# Altium PCB SoDeRa-PCIe_1v0.PcbDoc (part 7 of 8) (continued)
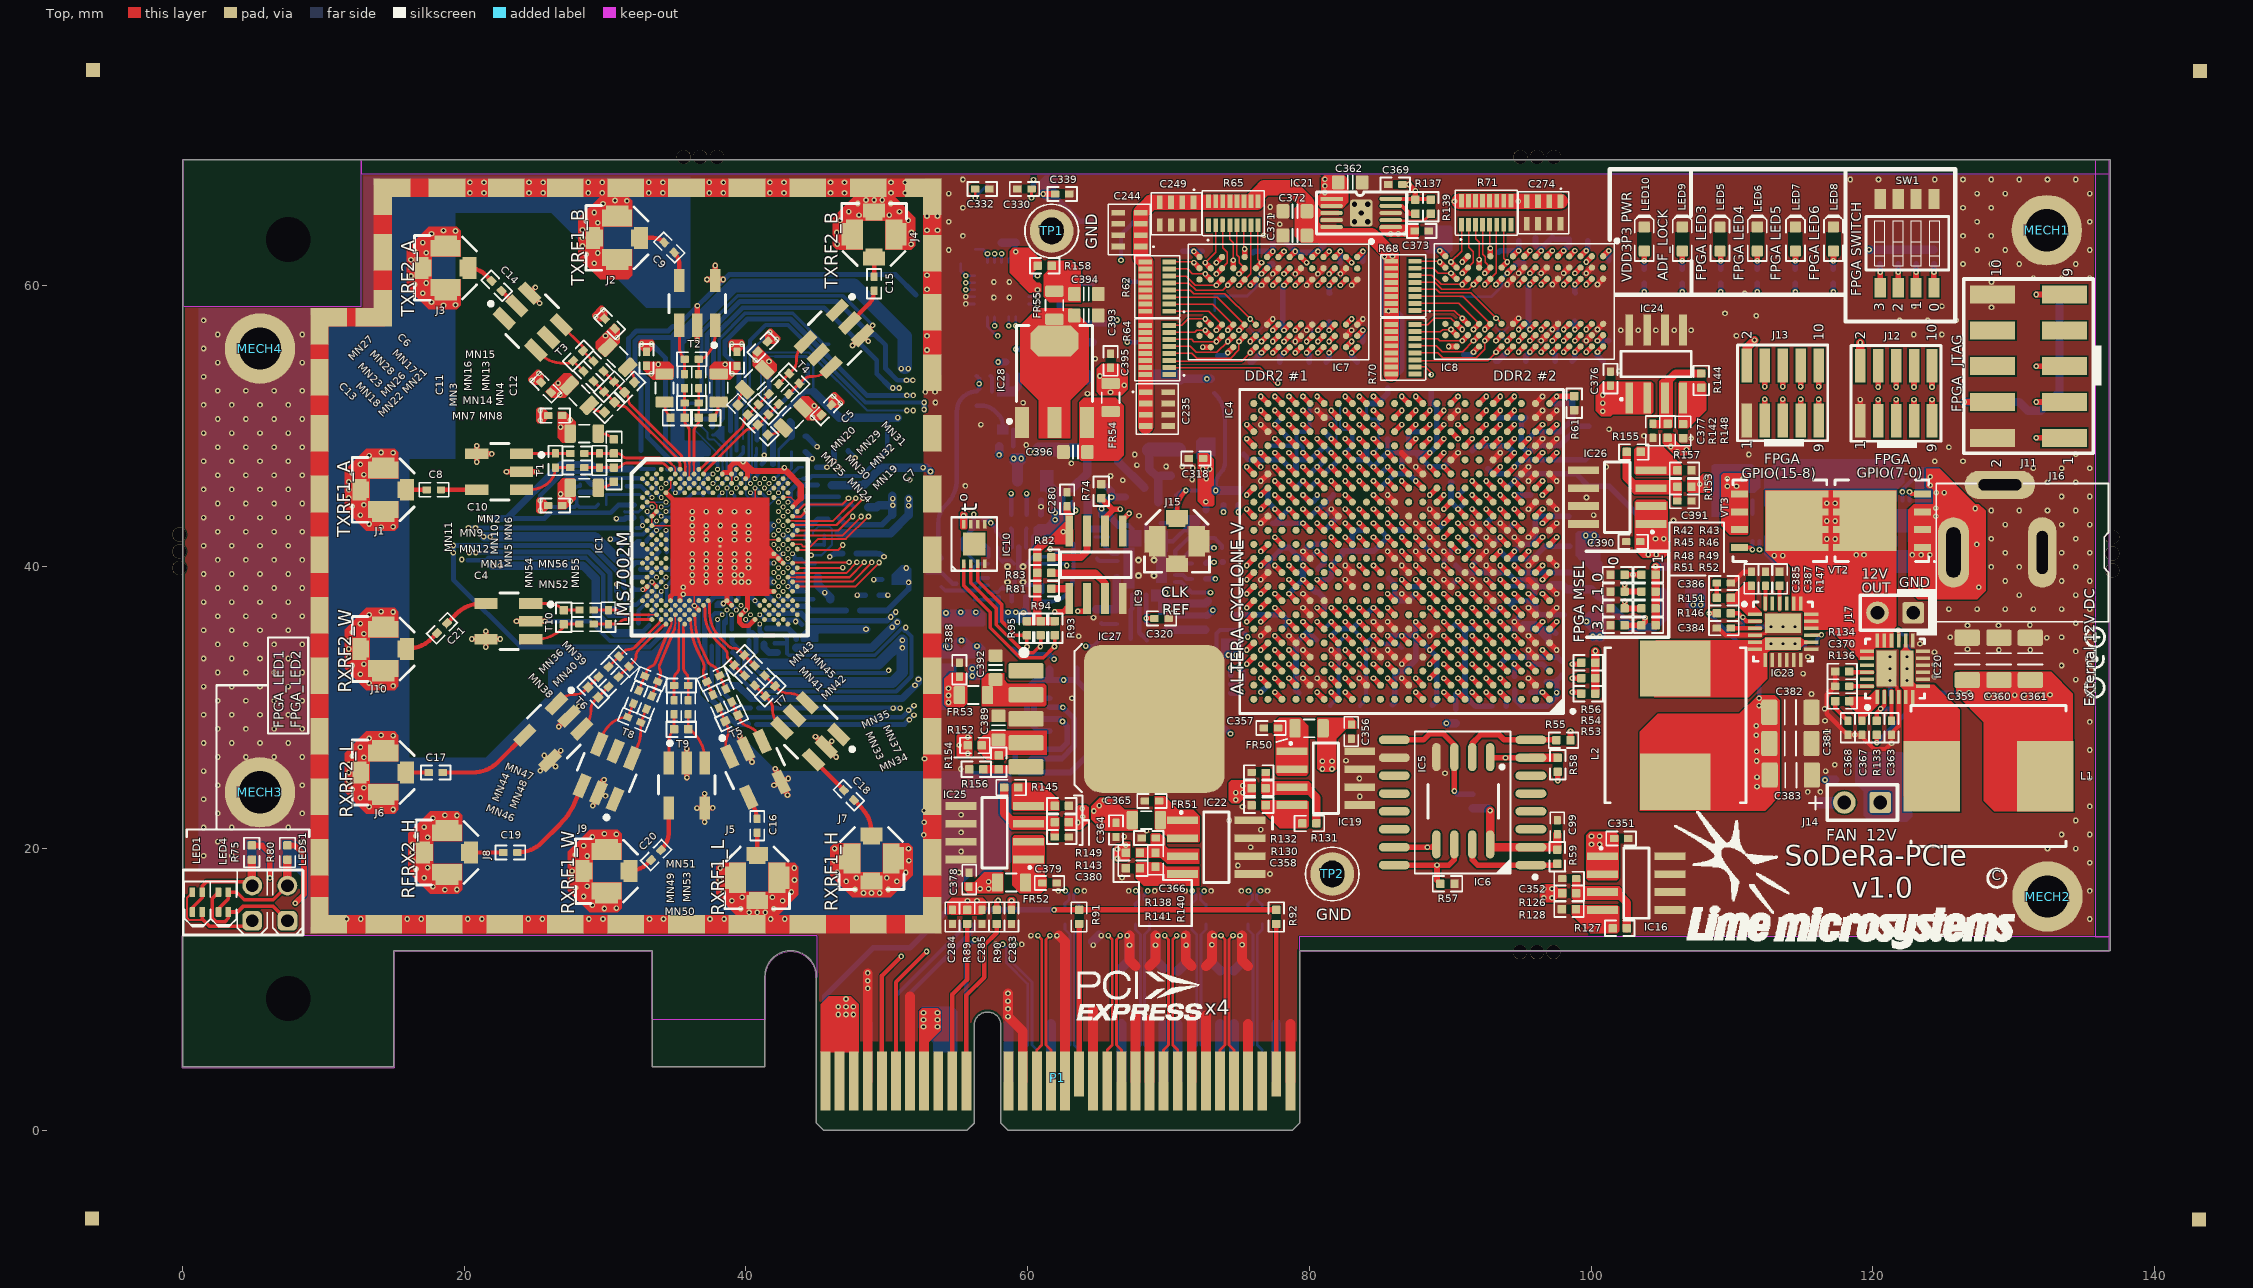
[diagram p0: Top view]
## Nets (pads, with @x,y where several pads share a name; then routed paths per layer and width w, separated by ;. In a path a pad name is that pad's centre, name@x,y a point inside that pad or via, vN(x,y) a via of type N, cw(c..) or ccw(c..) an arc to the next point about the centre after c; other vN are vias at no path point) (continued)
  other v1: 72.425,46.95 72.925,46.95
VCC3P3_PCIE: C283.1 C284.1 C285.1 P1.A9 P1.A10 P1.B8 R89.1 | length 6.9
  Top w0.7: P1.B8@52.65,3.5 v1@52.65,8.3 ; C284.1@54.65,15.65 C285.1@56.7,15.65
  other v1: 52.6,7.35 53.6,7.35 52.6,7.85 53.6,7.85 52.6,8.35 53.6,8.35 55.725,16.3 56.4,16.3 58.85,16.3
VCC12P0: C282.1 C344.2 C345.2 C346.2 C347.2 C348.2 C349.1 C353.1 C355.2 C375.2 C395.2 FR54.1 IC17.1 IC17.6 IC18.1 IC18.6 IC20.16 IC20.17 IC20.18 IC20.19 IC20.20 IC23.16 IC23.17 IC23.18 IC23.19 IC23.20 J14.2 J17.2 R123.1 R124.1 VT2.5 VT2.6 VT2.7 VT2.8 VT3.5 VT3.6 VT3.7 VT3.8 | length 10.5
  Bottom w0.6: v1(117.325,41.985) IC18.6@121.455,41.985
  Bottom w0.8: C282.1@116.25,23.25 J14.2@117.955,23.25 ; C355.2@118.725,36.625 120.205,36.625 J17.2@120.33,36.75 C375.2@120.33,35.18 ; J17.2@120.3,36.78 C353.1@120.3,38.225
  other v1: 113,40.8 113.6,40.8 118.825,40.85 119.375,40.85 116.725,41.985 116.725,43.255 117.325,43.255 116.725,44.525 117.325,44.525 65.875,52.4 66.85,52.9 65.125,53.55
VCC12P0_PCIE: C286.1 C287.1 C288.1 C289.1 C290.1 IC17.2 P1.A2 P1.A3 P1.B1 P1.B2 P1.B3 R124.2 VT3.1 VT3.2 VT3.3 | length 0.6
  Bottom w0.3: v1(111.95,41.225) IC17.2@111.95,41.84
  other v1: 46.55,8.225 47.1,8.225 47.625,8.225 46.55,8.775 47.1,8.775 47.625,8.775 47.1,9.325 109.675,45.725 110.325,45.725 109.675,46.25 110.775,46.25
VDIO_LMS: C2.2 C3.2 C342.2 C343.1 FR49.2 IC2.8 IC3.1 IC3.2 IC3.3 IC3.8 R3.1 R5.1 R6.1 R7.2 R8.2 R14.1 R15.1 R17.1 R19.1 R21.1 R23.1 R24.1 | length 97.8
  L5 w0.6: 41.6,42.95 41.237,42.588 41.237,37.988 42.075,37.15 44.575,37.15 v1(45.6,38.175)
  L7 w0.8: v1(62.55,31.975) 63.175,31.975 65.475,29.675 88.95,29.675 v1(89.725,28.9) 96.875,28.9 97.55,29.575 v1(97.55,31.075)
  Bottom w0.4: R15.1@59.125,27.225 R14.1@59.125,26.2 59.125,25.7 59.425,25.4 63.025,25.4 65.175,27.55 65.175,30.25 ; IC2.8@61.55,28.35 60.725,28.35 59.95,29.125 59.95,31.35 60.575,31.975 IC3.8@61.55,31.975 v1(62.55,31.975) 63.45,31.975 65.175,30.25 ; 63.475,32 C2.2@63.475,32.8 ; IC3.2@67.45,31.325 66.25,31.325 65.175,30.25 ; R5.1@94.575,31.225 94.575,30.625 95.1,30.1 R7.2@95.725,30.1 96.85,30.1 97.55,30.8 v1(97.55,31.075) 97.55,31.725 97.45,31.825 ; R3.1@96.825,31.825 97.45,31.825 ; R8.2@97.925,32.3 97.45,31.825
  Bottom w0.6: R24.1@41.374,42.556 41.748,42.931 ; R17.1@45.099,39.281 45.099,38.737 45.999,37.837 R23.1@45.999,37.706 ; R21.1@46.075,45.8 48.328,45.8 49.578,47.05 v1(52.575,47.05) 52.825,47.05 v1@53.094,46.781 ; R19.1@46.574,42.406 46.574,42.4 50.275,42.4 51.55,43.675 v1(51.55,44.825) ; 61.55,32.225 C3.2@61.55,32.7 ; v1(89.725,28.9) R6.1@90.4,28.9
  other v1: 54.2,36.725 55.25,36.775 56.325,36.775 51.55,44.35 53.1,46.775
  other v3: 41.974,42.931
VDIO_LMS_FPGA: C137.2 C138.2 C139.2 C140.2 C141.2 C142.1 C208.1 C209.1 C210.1 C211.1 C212.1 C213.1 C214.1 C328.1 C329.1 FR49.1 IC4.E9 IC4.E10 IC4.E11 IC4.E12 IC4.F10 IC4.H10 IC4.P7 IC15.10 IC15.11 R122.1 R125.1 | length 52.9
  Top w0.4: v1(85.55,35.1) IC4.E12@86.05,34.6 ; v1(86.55,35.1) IC4.E11@87.05,34.6 ; v1(87.55,35.1) IC4.E10@88.05,34.6 ; v1(87.55,36.1) IC4.F10@88.05,35.6 ; v1(87.55,38.1) IC4.H10@88.05,37.6 ; v1(88.55,34.1) IC4.E9@89.05,34.6 ; v1(90.55,44.1) IC4.P7@91.05,43.6
  L7 w1: 54.3,40.075 54.3,60.4 54.875,60.975 56.225,60.975 56.85,61.6 56.85,62.325
  Bottom w0.2: C329.1@55.25,61.5 55.25,61.025 v1(55.6,60.675) IC15.10@56.225,60.675 ; C328.1@56.3,62.55 56.825,62.55 v1(57.15,62.225) IC15.11@57.15,61.6
  Bottom w0.4: v1(85.55,35.1) v1(86.55,35.1) v1(87.55,35.1) ; C139.2@85.65,39.175 86.05,38.775 86.05,37.893 86.343,37.6 87.05,37.6 v1(87.55,38.1) ; C137.2@85.9,30.225 86.05,30.375 86.05,32.307 86.343,32.6 86.757,32.6 87.55,33.393 v1(87.55,35.1) ; v1(87.55,36.1) v1(87.55,35.1) ; C138.2@88.725,30.175 89.05,30.5 89.05,33.6 v1(88.55,34.1) v1(87.55,35.1) ; C140.2@90.1,46 90.05,46 C208.1@90.05,44.6 v1(90.55,44.1) 90.575,44.1 C142.1@91.05,44.575
  other v1: 54.175,34.375 56.4,34.375 55.3,34.775
VREF_DDR2: C81.1 C82.1 C83.1 C84.1 C85.1 C86.1 C87.1 C88.1 C89.1 C254.1 C279.1 C373.1 IC4.M20 IC4.P20 IC4.T16 IC4.U12 IC4.U18 IC4.V9 IC4.V13 IC4.W10 IC4.W16 IC7.J2 IC8.J2 IC21.6 | length 29.3
  Top w0.4: v1(76.6,60.8) IC7.J2@77,61.2 ; v1(77.55,42.1) IC4.M20@78.05,41.6 ; v1(77.55,44.1) IC4.P20@78.05,43.6 ; v1(79.55,47.1) IC4.U18@80.05,46.6 ; v1(81.55,46.1) IC4.T16@82.05,45.6 ; v1(81.55,49.1) IC4.W16@82.05,48.6 ; v1(84.55,48.1) IC4.V13@85.05,47.6 ; v1(85.55,47.1) IC4.U12@86.05,46.6 ; IC4.W10@88.05,48.6 v1(88.55,49.1) ; IC4.V9@89.05,47.6 v1(89.55,48.1) ; v1(94.05,60.85) IC8.J2@94.45,61.25
  Bottom w0.2: C86.1@73.275,58.2 C89.1@73.275,59.225 75.591,59.225 76.2,59.834 76.2,60.4 v1(76.6,60.8) ; C82.1@84.05,51.6 84.05,50.85 84.4,50.5 84.716,50.5 84.95,50.266 84.95,48.5 v1(84.55,48.1) ; C87.1@90.75,59.175 92.941,59.175 93.65,59.884 93.65,60.45 v1(94.05,60.85)
  Bottom w0.4: v1(76.6,60.8) 77.3,61.5 C254.1@77.4,61.5 ; C81.1@77.025,45.575 77.05,45.55 77.05,44.575 77.075,44.575 v1(77.55,44.1) ; C88.1@81.05,49.625 81.05,49.6 v1(81.55,49.1) ; C82.1@84.05,51.6 84.85,51.6 85.575,52.325 C85.1@85.575,52.675 ; C83.1@85.05,46.575 85.05,46.6 v1(85.55,47.1) ; v1(94.05,60.85) 94.8,61.6 C279.1@95.2,61.6
  other v1: 85.775,63.65 86.3,63.65 86.8,63.65
VTT_DDR2: C235.1 C235.2 C235.3 C235.4 C244.1 C244.2 C244.3 C244.4 C249.1 C249.2 C249.3 C249.4 C260.1 C260.2 C260.3 C260.4 C265.1 C265.2 C265.3 C265.4 C274.1 C274.2 C274.3 C274.4 C371.2 C372.2 IC21.3 IC21.5 R62.9 R62.10 R62.11 R62.12 R62.13 R62.14 R62.15 R62.16 R64.9 R64.10 R64.11 R64.12 R64.13 R64.14 R64.15 R64.16 R65.9 R65.10 R65.11 R65.12 R65.13 R65.14 R65.15 R65.16 R68.9 R68.10 R68.11 R68.12 R68.13 R68.14 R68.15 R68.16 R70.9 R70.10 R70.11 R70.12 R70.13 R70.14 R70.15 R70.16 R71.9 R71.10 R71.11 R71.12 R71.13 R71.14 R71.15 R71.16 | length 76.8
  Top w1.1: C235.4@68.375,50 68.375,61.625 R62.9@68.35,61.65 68.025,61.975 C244.1@68.025,62.75 C244.2@68.025,63.55 C244.3@68.025,64.35 C244.4@68.025,65.15 68.75,65.875 C249.4@69.375,65.875 R65.9@76.275,65.875 ; R65.10@75.85,65.95 76.8,66.9 78.75,66.9 79.825,65.825 C372.2@79.825,65.25 ; 80.77,63.52 84.405,63.52 85.8,62.125 R68.9@85.8,61.7 R68.10@85.8,61.2 R68.11@85.8,60.7 R68.12@85.8,60.2 R68.13@85.8,59.7 R68.14@85.8,59.2 R68.15@85.8,58.7 R68.16@85.8,58.2 R70.9@85.8,57.2 R70.10@85.8,56.7 R70.11@85.8,56.2 R70.12@85.8,55.7 R70.13@85.8,55.2 R70.14@85.8,54.7 R70.15@85.8,54.2 R70.16@85.8,53.7 ; R71.16@90.65,65.95 v1(94.825,65.95) C274.3@96.225,65.95 C274.2@97.025,65.95 C274.1@97.825,65.95
  L4 w1.1: v1(85.325,62.025) 85.65,62.35 87.025,62.35 87.7,63.025 87.7,64.975 86,66.675 86,67.475 86.625,68.1 88.15,68.1 v1(90.3,65.95) v1(94.825,65.95)
  Bottom w1.1: 85.625,62.325 C265.2@85.625,59.925 C265.1@85.625,59.125 v1(85.625,58.175) 86.2,57.6 C260.1@86.2,54.125
  other v1: 85.9,62.05 85.6,62.575
pads on no net: C1.0 C2.0 C3.0 C4.0 C5.0 C6.0 C7.0 C8.0 C9.0 C10.0 C11.0 C12.0 C13.0 C14.0 C15.0 C16.0 C17.0 C18.0 C19.0 C20.0 C21.0 C81.0 C82.0 C83.0 C84.0 C85.0 C86.0 C87.0 C88.0 C89.0 C90.0 C91.0 C92.0 C93.0 C94.0 C95.0 C96.0 C97.0 C98.0 C99.0 C100.0 C101.0 C102.0 C103.0 C104.0 C105.0 C106.0 C107.0 C108.0 C109.0 C110.0 C111.0 C112.0 C113.0 C114.0 C115.0 C116.0 C117.0 C118.0 C119.0 C120.0 C121.0 C122.0 C123.0 C124.0 C125.0 C126.0 C127.0 C128.0 C129.0 C130.0 C131.0 C132.0 C133.0 C134.0 C135.0 C136.0 C137.0 C138.0 C139.0 C140.0 C141.0 C142.0 C143.0 C144.0 C145.0 C146.0 C147.0 C148.0 C149.0 C150.0 C151.0 C152.0 C153.0 C154.0 C155.0 C156.0 C157.0 C158.0 C159.0 C160.0 C161.0 C162.0 C163.0 C164.0 C165.0 C166.0 C167.0 C168.0 C169.0 C170.0 C171.0 C172.0 C173.0 C174.0 C175.0 C176.0 C177.0 C178.0 C179.0 C180.0 C181.0 C182.0 C183.0 C184.0 C185.0 C186.0 C187.0 C188.0 C189.0 C190.0 C191.0 C192.0 C193.0 C194.0 C195.0 C196.0 C197.0 C198.0 C199.0 C200.0 C201.0 C202.0 C203.0 C204.0 C205.0 C206.0 C207.0 C208.0 C209.0 C210.0 C211.0 C212.0 C213.0 C214.0 C215.0 C216.0 C217.0 C218.0 C219.0 C220.0 C221.0 C222.0 C223.0 C224.0 C225.0 C226.0 C227.0 C228.0 C229.0 C230.0 C231.0 C232.0 C233.0 C234.0 C236.0 C237.0 C238.0 C239.0 C240.0 C241.0 C242.0 C243.0 C245.0 C246.0 C247.0 C248.0 C250.0 C251.0 C252.0 C253.0 C254.0 C255.0 C256.0 C257.0 C258.0 C259.0 C261.0 C262.0 C263.0 C264.0 C266.0 C267.0 C268.0 C269.0 C270.0 C271.0 C272.0 C273.0 C275.0 C276.0 C277.0 C278.0 C279.0 C280.0 C281.0 C282.0 C283.0 C284.0 C285.0 C286.0 C287.0 C288.0 C289.0 C290.0 C291.0 C292.0 C293.0 C294.0 C295.0 C296.0 C297.0 C298.0 C299.0 C300.0 C301.0 C302.0 C303.0 C304.0 C305.0 C306.0 C307.0 C308.0 C309.0 C310.0 C311.0 C312.0 C313.0 C314.0 C315.0 C316.0 C317.0 C318.0 C319.0 C320.0 C321.0 C322.0 C323.0 C324.0 C325.0 C326.0 C327.0 C328.0 C329.0 C330.0 C331.0 C332.0 C333.0 C334.0 C335.0 C336.0 C337.0 C338.0 C339.0 C340.0 C341.0 C342.0 C343.0 C344.0 C345.0 C346.0 C347.0 C348.0 C349.0 C350.0 C351.0 C352.0 C353.0 C354.0 C355.0 C356.0 C357.0 C358.0 C359.0 C360.0 C361.0 C362.0 C363.0 C364.0 C365.0 C366.0 C367.0 C368.0 C369.0 C370.0 C371.0 C372.0 C373.0 C374.0 C375.0 C376.0 C377.0 C378.0 C379.0 C380.0 C381.0 C382.0 C383.0 C384.0 C385.0 C386.0 C387.0 C388.0 C389.0 C390.0 C391.0 C392.0 C393.0 C394.0 C395.0 C396.0 FR36.0 FR37.0 FR38.0 FR39.0 FR41.0 FR42.0 FR44.0 FR49.0 FR50.0 FR51.0 FR52.0 FR53.0 FR54.0 FR55.0 IC1.A5 IC1.A21 IC1.AA1 IC1.AA3 IC1.AA5 IC1.AB2 IC1.AB4 IC1.AB6 IC1.AC3 IC1.AC5 IC1.AD2 IC1.AE1 IC1.AE5 IC1.AG3 IC1.AG33 IC1.AH2 IC1.AH4 IC1.AH32 IC1.AJ1 IC1.AJ3 IC1.AJ5 IC1.AJ11 IC1.AJ13 IC1.AJ21 IC1.AJ27 IC1.AJ29 IC1.AJ31 IC1.AJ33 IC1.AK2 IC1.AK4 IC1.AK6 IC1.AK8 IC1.AK10 IC1.AK26 IC1.AK28 IC1.AK30 IC1.AK32 IC1.AK34 IC1.AL3 IC1.AL5 IC1.AL7 IC1.AL9 IC1.AL11 IC1.AL27 IC1.AL29 IC1.AL31 IC1.AL33 IC1.AM6 IC1.AM10 IC1.AM28 IC1.AM30 IC1.AM34 IC1.AN27 IC1.AN29 IC1.AN31 IC1.AP30 IC1.AP32 IC1.B2 IC1.B4 IC1.B22 IC1.C1 IC1.C3 IC1.C5 IC1.C9 IC1.C13 IC1.C15 IC1.C17 IC1.C19 IC1.C31 IC1.D2 IC1.D4 IC1.D8 IC1.D10 IC1.D12 IC1.D14 IC1.D18 IC1.D22 IC1.D30 IC1.D32 IC1.E3 IC1.E9 IC1.E11 IC1.E13 IC1.E15 IC1.E23 IC1.E29 IC1.E31 IC1.F2 IC1.F4 IC1.F10 IC1.F12 IC1.F14 IC1.F16 IC1.F22 IC1.F26 IC1.F32 IC1.G1 IC1.G29 IC1.J1 IC1.M2 IC1.M6 IC1.P2 IC1.R3 IC1.R5 IC1.T4 IC1.T6 IC1.U1 IC1.U3 IC1.U5 IC1.V2 IC1.V4 IC1.V6 IC1.W3 IC1.Y2 IC1.Y4 IC1.Y6 IC4.A2 IC4.A3 IC4.A9 IC4.A11 IC4.A12 IC4.A13 IC4.A14 IC4.A18 IC4.A19 IC4.A21 IC4.A22 IC4.AA3 IC4.AA7 IC4.AA22 IC4.AB3 IC4.AB7 IC4.AB9 IC4.AB12 IC4.AB16 IC4.AB22 IC4.B1 IC4.B3 IC4.B9 IC4.B22 IC4.C1 IC4.C10 IC4.C11 IC4.C17 IC4.C22 IC4.D17 IC4.D21 IC4.E17 IC4.F20 IC4.F22 IC4.G10 IC4.G11 IC4.G19 IC4.H13 IC4.H14 IC4.H15 IC4.H16 IC4.J12 IC4.J13 IC4.J14 IC4.J16 IC4.J20 IC4.K12 IC4.K17 IC4.L13 IC4.L14 IC4.L15 IC4.L16 IC4.L19 IC4.L20 IC4.M17 IC4.M18 IC4.M19 IC4.M22 IC4.N19 IC4.N20 IC4.N21 IC4.N22 IC4.P10 IC4.R10 IC4.R11 IC4.R14 IC4.R16 IC4.R17 IC4.R22 IC4.T7 IC4.T8 IC4.U6 IC4.U7 IC4.V6 IC4.V7 IC4.W8 IC4.W12 IC4.W21 IC4.Y3 IC4.Y17 IC6.0 IC6.3 IC6.4 IC6.5 IC6.6 IC6.11 IC6.12 IC6.13 IC6.14 IC7.A2 IC7.E2 IC7.R3 IC7.R7 IC7.R8 IC8.A2 IC8.E2 IC8.R3 IC8.R7 IC8.R8 IC10.9 IC11.9 IC11.10 IC11.15 IC11.17 IC15.3 IC15.15 IC15.17 IC17.5 IC18.5 IC20.21 IC20.23 IC23.21 IC23.23 IC27.0 IC27.1 J11.6 J11.7 J11.8 LED1.0 LED4.0 LED5.0 LED6.0 LED7.0 LED8.0 LED9.0 LED10.0 MN1.0 MN2.0 MN3.0 MN4.0 MN5.0 MN6.0 MN7.0 MN8.0 MN9.0 MN10.0 MN11.0 MN12.0 MN13.0 MN14.0 MN15.0 MN16.0 MN17.0 MN18.0 MN19.0 MN20.0 MN21.0 MN22.0 MN23.0 MN24.0 MN25.0 MN26.0 MN27.0 MN28.0 MN29.0 MN30.0 MN31.0 MN32.0 MN33.0 MN34.0 MN35.0 MN36.0 MN37.0 MN38.0 MN39.0 MN40.0 MN41.0 MN42.0 MN43.0 MN44.0 MN45.0 MN46.0 MN47.0 MN48.0 MN49.0 MN50.0 MN51.0 MN52.0 MN53.0 MN54.0 MN55.0 MN56.0 P1.A5 P1.A8 P1.A19 P1.A32 P1.B9 P1.B12 P1.B30 R1.0 R2.0 R3.0 R4.0 R5.0 R6.0 R7.0 R8.0 R9.0 R10.0 R11.0 R12.0 R13.0 R14.0 R15.0 R16.0 R17.0 R18.0 R19.0 R20.0 R21.0 R22.0 R23.0 R24.0 R36.0 R37.0 R38.0 R39.0 R40.0 R41.0 R42.0 R43.0 R44.0 R45.0 R46.0 R47.0 R48.0 R49.0 R50.0 R51.0 R52.0 R53.0 R54.0 R55.0 R56.0 R57.0 R58.0 R59.0 R60.0 R61.0 R63.0 R64.1 R65.1 R66.0 R67.0 R69.0 R70.1 R71.8 R72.0 R73.0 R74.0 R75.0 R76.0 R77.0 R78.0 R79.0 R80.0 R81.0 R82.0 R83.0 R84.0 R85.0 R86.0 R87.0 R88.0 R89.0 R90.0 R91.0 R92.0 R93.0 R94.0 R95.0 R96.0 R97.0 R98.0 R99.0 R100.0 R101.0 R102.0 R103.0 R104.0 R105.0 R106.0 R107.0 R108.0 R109.0 R110.0 R111.0 R112.0 R113.0 R114.0 R115.0 R116.0 R117.0 R118.0 R119.0 R120.0 R121.0 R122.0 R123.0 R124.0 R125.0 R126.0 R127.0 R128.0 R129.0 R130.0 R131.0 R132.0 R133.0 R134.0 R135.0 R136.0 R137.0 R138.0 R139.0 R140.0 R141.0 R142.0 R143.0 R144.0 R145.0 R146.0 R147.0 R148.0 R149.0 R150.0 R151.0 R152.0 R153.0 R154.0 R155.0 R156.0 R157.0 R158.0 T3.1 T3.5 T4.1 T4.5 T7.1 T7.5 T8.1 T8.5 VD1.0 VT1.0 XT1.3 XT4.0 XT5.0 XT5.1 XT6.0 XT6.1 XT7.0 XT7.1
copper on no net: | length 5.6
  L4 w0.1: 68.625,43.75 73.225,43.75
  Bottom w0.2: 64.775,42.125 65.75,42.125

## Polygon pours and split planes (outlines as drawn)
VCC1P8 on L6 "VCC1P8_L06_P000" (solid, remove dead copper, pour order 0): 108.9,45.875 108.9,46.6 107.975,47.525 104.775,47.525 99.5,52.8 76.85,52.8 74.95,50.9 74.95,45.625 77.95,42.625 80.75,42.625 82.55,44.425 97.7,44.425 99.5,42.625 107.725,42.625 108.9,43.8
VCC1P8_DDR2 on L6 "VCC1P8_DDR2_L06_P002" (solid, remove dead copper, pour order 2): 104.925,47.75 99.475,53.2 96.325,53.2 74.05,53.2 71.525,55.725 71.475,55.775 71.475,62.45 71.475,64.875 72.875,66.275 74.35,67.75 104.425,67.75 108.5,63.675 108.5,48.45 107.8,47.75
VCC1P2 on L6 "VCC1P2_L06_P006" (solid, remove dead copper, pour order 6): 112.3,24.05 112.3,33.05 106.425,38.925 104.925,38.925 101.45,42.4 99.375,42.4 98.4,43.375 97.5,44.275 82.6,44.275 80.725,42.4 79.9,41.575 79.9,38.125 82.525,35.5 90.775,35.5 97.675,28.6 102.8,23.475 111.75,23.475 111.825,23.475 112.3,23.95
VCC3P3 on L6 "VCC3P3_L06_P018" (solid, remove dead copper, pour order 18): 125.25,32.375 132.875,32.375 133.825,31.425 133.825,22.55 132.125,20.85 126.15,14.875 98.8,14.875 57.35,14.875 53.725,18.5 53.725,21.575 53.725,56.05 54.8,57.125 58.65,57.125 67.15,57.125 69.225,55.05 69.775,54.5 69.775,47.85 75.475,42.15 78.275,42.15 79.675,40.75 79.675,37.95 82.4,35.225 90.4,35.225 102.4,23.225 112.225,23.225 113.525,24.525 113.525,32.375 106.725,39.175 105.025,39.175 102.988,41.212 102.988,42.387 107.075,42.387 115.238,42.387
GND on L6 "GND_L06_P045" (solid, remove dead copper, pour order 45): 15,4.5 15,12.75 33.35,12.75 33.35,4.5 41.35,4.5 41.35,10.925 cw(c43.175,10.925) 45,10.925 45,6.35 56.2,6.35 56.2,7.45 cw(c57.15,7.45) 58.1,7.45 58.1,6.35 79.3,6.35 79.3,12.75 136.85,12.75 136.85,68.9 0,68.9 0,4.5
+3.3V_DIG_LMK on L5 "+3.3V_DIG_LMK_L05_P032" (solid, remove dead copper, pour order 32): 58.9,36.275 60.6,36.275 63.225,38.9 63.225,39.975 63.225,40.8 59.85,44.175 55.35,44.175 54.6,43.425 54.6,40.575
VCC1P25_LMS_DIG on L5 "VCC1P25_LMS_DIG_L05_P012" (solid, remove dead copper, pour order 12): 55.825,26.175 54.9,27.1 54.9,27.9 54.9,32.525 50.85,36.575 50.85,41.7 52.062,42.913 55.35,39.625 59.6,35.375 59.6,27.6 58.175,26.175 55.9,26.175
VCC1P4_LMS on L5 "VCC1P4_LMS_L05_P004" (solid, remove dead copper, pour order 4): 67.1,19.075 53.4,19.075 47.15,25.325 47.15,31.575 49.275,33.7 53.5,33.7 54.7,32.5 54.7,26.975 56.35,25.325 64.95,25.325 67.875,22.4 67.875,20.15 67.875,19.625 67.325,19.075
GND on L5 "GND_L05_P044" (solid, remove dead copper, pour order 44): 15,4.5 15,12.75 33.35,12.75 33.35,4.5 41.35,4.5 41.35,10.925 cw(c43.175,10.925) 45,10.925 45,6.25 56.2,6.25 56.2,7.45 cw(c57.15,7.45) 58.1,7.45 58.1,6.25 79.3,6.25 79.3,12.75 136.85,12.75 136.85,68.9 0,68.9 0,4.5
VCC1P8_LMS on L8 "VCC1P8_LMS_L08_P008" (solid, remove dead copper, pour order 8): 62.575,28.55 54.725,36.4 45.025,36.4 44.375,35.75 33.95,35.75 30.525,39.175 30.525,43.625 30.525,46.475 32.2,48.15 51.1,48.15 51.225,48.275 51.225,53.875 50.225,54.875 47.55,57.55 30.725,57.55 28.85,57.55 24.05,52.75 19.875,48.575 19.875,40.025 19.875,35.325 25.075,30.125 27.65,27.55 47.425,27.55 56.7,18.275 75.575,18.275 76.45,19.15 76.45,27.175 75.075,28.55
GND on L8 "GND_L08_P047" (solid, remove dead copper, pour order 47): 15,4.5 15,12.75 33.35,12.75 33.35,4.5 41.35,4.5 41.35,10.925 cw(c43.175,10.925) 45,10.925 45,6.3 56.2,6.3 56.2,7.45 cw(c57.15,7.45) 58.1,7.45 58.1,6.3 79.3,6.3 79.3,12.75 136.85,12.75 136.85,68.9 0,68.9 0,4.5
VCC3P3_CLK on L4 "VCC3P3_CLK_L04_P026" (solid, remove dead copper, pour order 26): 73.725,46.45 73.725,48.05 69.35,52.425 65.6,56.175 65.6,59.975 63.65,61.925 61.4,61.925 60.725,61.925 59.625,63.025 58.8,63.025 57.625,61.85 57.625,47.525 60.525,44.625 61.475,43.675 72.6,43.675 73.725,44.8 73.725,46.175
VCC3P3_PCIE on L4 "VCC3P3_PCIE_L04_P036" (solid, remove dead copper, pour order 36): 52.1,6.825 52.1,15.1 53.725,16.725 53.975,16.975 58.075,16.975 59.225,16.975 59.625,16.575 60.175,16.025 60.175,13.825 60.175,12.2 57.825,9.85 54.525,6.55 52.375,6.55
VCC2P5 on L4 "VCC2P5_L04_P010" (solid, remove dead copper, pour order 10): 107.55,38.275 89.95,20.675 89.95,19.025 89.4,18.475 88.475,18.475 86.05,20.9 86.05,23.05 86.05,27.275 82.225,31.1 80.9,32.425 76.425,32.425 75.05,33.8 74.525,34.325 73.925,34.325 66.225,34.325 65.7,33.8 55.7,33.8 55.7,31.1 62.05,31.1 68.15,25 71.875,21.275 79.525,13.625 102.925,13.625 109.75,20.45 110.05,20.75 110.05,38.275
GND on L4 "GND_L04_P041" (solid, remove dead copper, pour order 41): 15,4.5 15,12.75 33.35,12.75 33.35,4.5 41.35,4.5 41.35,10.925 cw(c43.175,10.925) 45,10.925 45,6.175 56.2,6.175 56.2,7.45 cw(c57.15,7.45) 58.1,7.45 58.1,6.175 79.3,6.175 79.3,12.75 136.85,12.75 136.85,68.9 0,68.9 0,4.5
VCC1P25_LMS on L10 "VCC1P25_LMS_L10_P014" (solid, remove dead copper, pour order 14): 64.25,23.125 57.725,29.65 54.075,29.65 51.775,31.95 48.425,31.95 46.4,29.925 46.4,26.825 50.2,23.025 52.6,20.625 62.8,20.625 63.675,20.625 64.25,21.2
GND on L10 "GND_L10_P049" (solid, remove dead copper, pour order 49): 15,4.5 15,12.75 33.35,12.75 33.35,4.5 41.35,4.5 41.35,10.925 cw(c43.175,10.925) 45,10.925 45,6.275 56.2,6.275 56.2,7.45 cw(c57.15,7.45) 58.1,7.45 58.1,6.275 79.3,6.275 79.3,12.75 136.85,12.75 136.85,68.9 0,68.9 0,4.5
VCC12P0 on L3 "VCC12P0_L03_P016" (solid, remove dead copper, pour order 16): 116.992,22.3 116.992,36.383 112.597,40.778 112.597,58.071 107.367,63.3 67.025,63.3 65.875,62.15 65.875,54.5 67.3,53.075 67.3,52.425 66.8,51.925 60.137,51.925 57.725,54.338 57.725,60.425 56.2,61.95 56.2,65.313 59.088,68.2 116.425,68.2 120.7,63.925 120.7,45.45 121.525,44.625 121.525,39.7 121.525,24.625 119.2,22.3
VCC3P3 on L3 "VCC3P3_L03_P020" (solid, remove dead copper, pour order 20): 104.975,40.575 106.075,41.675 106.075,43.725 106.075,49.625 102.925,52.775 100.275,52.775 99.575,52.075 99.575,43.275 101.575,41.275 102.275,40.575 104.85,40.575
VDIO_LMS on L3 "VDIO_LMS_L03_P022" (solid, remove dead copper, pour order 22): 63.1,31.55 63.1,37.325 53.5,46.925 53.125,47.3 52,47.3 49.875,45.175 49.875,44.05 45.2,39.375 45.2,37.6 48.2,34.6 52.825,34.6 55.4,34.6 58.775,31.225 62.825,31.225
GND on L3 "GND_L03_P040" (solid, remove dead copper, pour order 40): 15,4.5 15,12.75 33.35,12.75 33.35,4.5 41.35,4.5 41.35,10.925 cw(c43.175,10.925) 45,10.925 45,6.175 56.2,6.175 56.2,7.45 cw(c57.15,7.45) 58.1,7.45 58.1,6.175 79.3,6.175 79.3,12.75 136.85,12.75 136.85,68.9 0,68.9 0,4.5
GND on L3 "GND_L03_P042" (solid, remove dead copper, pour order 42): 15,4.5 15,12.75 33.35,12.75 33.35,4.5 41.35,4.5 41.35,10.925 cw(c43.175,10.925) 45,10.925 45,6.15 56.2,6.15 56.2,7.45 cw(c57.15,7.45) 58.1,7.45 58.1,6.15 79.3,6.15 79.3,12.75 136.85,12.75 136.85,68.9 0,68.9 0,4.5
VCC12P0_PCIE on L9 "VCC12P0_PCIE_L09_P024" (solid, remove dead copper, pour order 24): 46.325,7.6 54.575,7.6 56.375,9.4 61.925,9.4 65.8,13.275 104.275,13.275 114.35,23.35 114.35,46 112.8,47.55 103.5,47.55 101.95,46 101.95,30.875 97.25,26.175 58.975,26.175 52.7,19.9 52.7,18.625 50.65,16.575 48.225,16.575 45.275,13.625 45.275,8.65
GND on L9 "GND_L09_P048" (solid, remove dead copper, pour order 48): 15,4.5 15,12.75 33.35,12.75 33.35,4.5 41.35,4.5 41.35,10.925 cw(c43.175,10.925) 45,10.925 45,6.15 56.2,6.15 56.2,7.45 cw(c57.15,7.45) 58.1,7.45 58.1,6.15 79.3,6.15 79.3,12.75 136.85,12.75 136.85,68.9 0,68.9 0,4.5
+1.8V_DIG_LMK on L7 "+1.8V_DIG_LMK_L07_P034" (solid, remove dead copper, pour order 34): 56.975,43.925 56.975,42.675 57.575,42.075 57.625,42.025 62.95,42.025 63.1,42.025 63.65,42.575 63.65,44.35 63,45 57.45,45 56.975,44.525
VDIO_LMS_FPGA on L7 "VDIO_LMS_FPGA_L07_P030" (solid, remove dead copper, pour order 30): 91.025,44.35 91.025,35.85 88.7,33.525 53.95,33.525 52.375,35.1 52.375,39.125 53.9,40.65 76.125,40.65 83.875,40.65 87.575,44.35 87.8,44.575 90.625,44.575 90.8,44.575
VREF_DDR2 on L7 "VREF_DDR2_L07_P028" (solid, remove dead copper, pour order 28): 77.225,41.675 83.525,41.675 96.475,54.625 99.025,54.625 100.375,54.625 101.325,55.575 101.325,62.2 99.575,63.95 99.35,64.175 85.525,64.175 72.775,64.175 71.15,62.55 71.15,56.425 73.1,54.475 75.45,52.125 75.45,43.65 75.45,42.675 76.45,41.675
GND on L7 "GND_L07_P046" (solid, remove dead copper, pour order 46): 15,4.5 15,12.75 33.35,12.75 33.35,4.5 41.35,4.5 41.35,10.925 cw(c43.175,10.925) 45,10.925 45,6.3 56.2,6.3 56.2,7.45 cw(c57.15,7.45) 58.1,7.45 58.1,6.3 79.3,6.3 79.3,12.75 136.85,12.75 136.85,68.9 0,68.9 0,4.5
GND on Top "GND_L01_P038" (solid, remove dead copper, pour order 38): 15,4.5 15,12.75 33.35,12.75 33.35,4.5 41.35,4.5 41.35,10.925 cw(c43.175,10.925) 45,10.925 45,6.325 56.2,6.325 56.2,7.45 cw(c57.15,7.45) 58.1,7.45 58.1,6.325 79.3,6.325 79.3,12.75 136.85,12.75 136.85,68.9 0,68.9 0,4.5
GND on L2 "GND_L02_P039" (solid, remove dead copper, pour order 39): 15,4.5 15,12.75 33.35,12.75 33.35,4.5 41.35,4.5 41.35,10.925 cw(c43.175,10.925) 45,10.925 45,6.25 56.2,6.25 56.2,7.45 cw(c57.15,7.45) 58.1,7.45 58.1,6.25 79.3,6.25 79.3,12.75 136.85,12.75 136.85,68.9 0,68.9 0,4.5
GND on L11 "GND_L11_P050" (solid, remove dead copper, pour order 50): 15,4.5 15,12.75 33.35,12.75 33.35,4.5 41.35,4.5 41.35,10.925 cw(c43.175,10.925) 45,10.925 45,6.275 56.2,6.275 56.2,7.45 cw(c57.15,7.45) 58.1,7.45 58.1,6.275 79.3,6.275 79.3,12.75 136.85,12.75 136.85,68.9 0,68.9 0,4.5
GND on Bottom "GND_L12_P051" (solid, remove dead copper, pour order 51): 15,4.5 15,12.75 33.35,12.75 33.35,4.5 41.35,4.5 41.35,10.925 cw(c43.175,10.925) 45,10.925 45,6.35 56.2,6.35 56.2,7.45 cw(c57.15,7.45) 58.1,7.45 58.1,6.35 79.3,6.35 79.3,12.75 136.85,12.75 136.85,68.9 0,68.9 0,4.5

## Keep-outs
Top:
  rectangle: 79.275,12.75 136.775,13.75
  rectangle: 0,58.5 12.7,68.9
  rectangle: 12.7,67.9 136.775,68.9
  rectangle: 135.775,13.75 136.775,68.9
  region: 0,4.45 15,4.45 ccw(c15,4.5) 15.05,4.5 15.05,12.7 33.3,12.7 33.3,7.95 ccw(c33.35,7.95) 33.35,7.9 41.35,7.9 ccw(c41.35,7.95) 41.4,7.95 ccw(c41.35,7.95) 41.4,7.951 41.4,10.925 cw(c43.175,10.925) 44.95,10.925 ccw(c45,10.925) 45.05,10.925 45.05,13.75 ccw(c45,13.75) 45,13.8 0,13.8 ccw(c0,13.75) -0.05,13.75 -0.05,4.5 ccw(c0,4.5)
Bottom:
  rectangle: 79.3,12.75 136.775,13.75
  rectangle: 135.775,13.75 136.775,68.9
  rectangle: 12.7,67.9 136.775,68.9
  rectangle: 0,58.5 12.7,68.9
  rectangle: 0,13.75 1,58.5
  region: 0,4.45 15,4.45 ccw(c15,4.5) 15.05,4.5 15.05,12.7 33.3,12.7 33.3,7.95 ccw(c33.35,7.95) 33.35,7.9 41.35,7.9 ccw(c41.35,7.95) 41.4,7.95 ccw(c41.35,7.95) 41.4,7.951 41.4,10.925 cw(c43.175,10.925) 44.95,10.925 ccw(c45,10.925) 45.05,10.925 45.05,13.75 ccw(c45,13.75) 45,13.8 0,13.8 ccw(c0,13.75) -0.05,13.75 -0.05,4.5 ccw(c0,4.5)